# Altium PCB PCB1.PcbDoc (part 1 of 2) (continued)
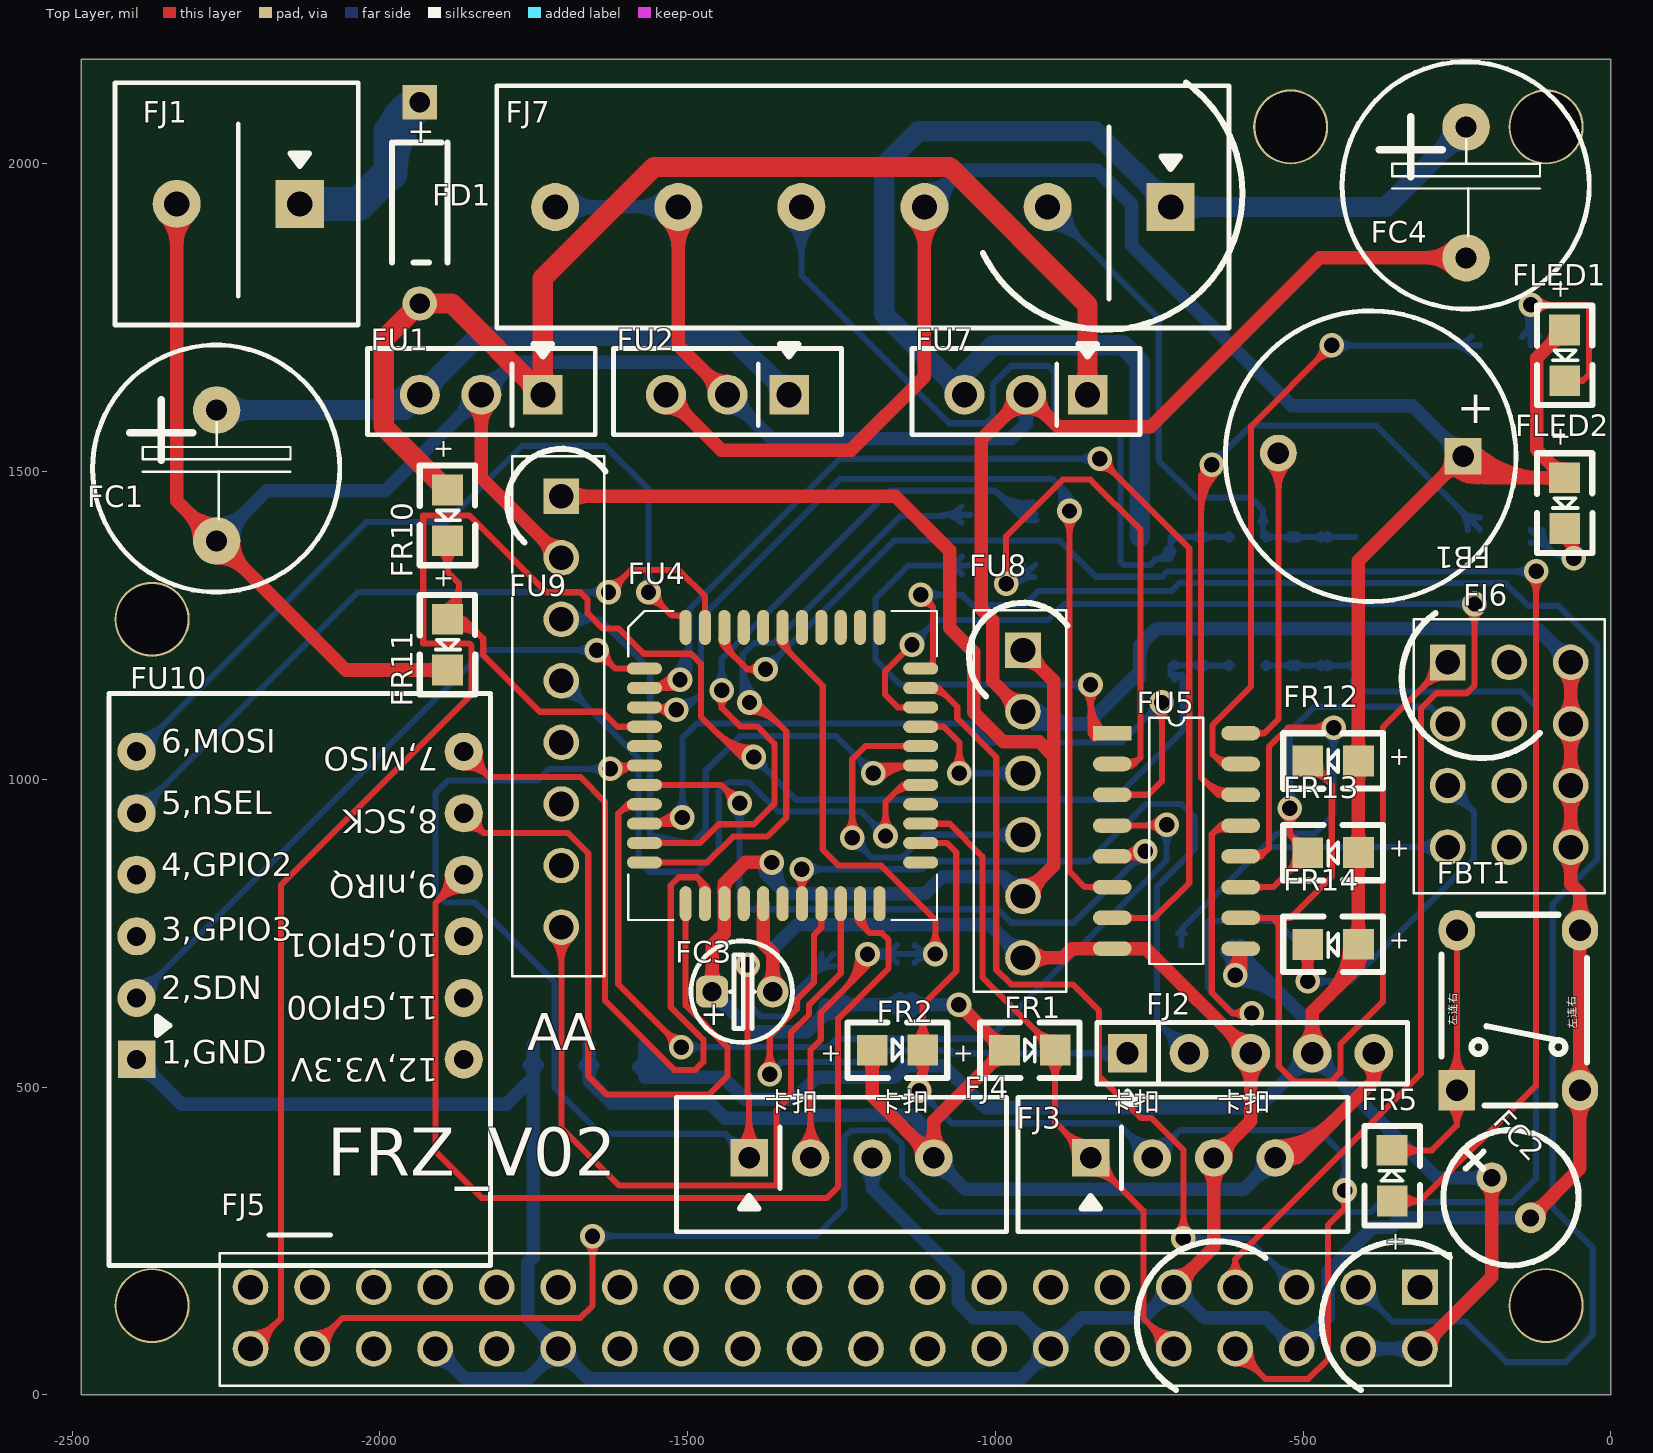
[diagram p0: Top Layer view]
## Nets (pads, with @x,y where several pads share a name; then routed paths per layer and width w, separated by ;. In a path a pad name is that pad's centre, name@x,y a point inside that pad or via, vN(x,y) a via of type N, cw(c..) or ccw(c..) an arc to the next point about the centre after c; other vN are vias at no path point)
NetFB1_1: FB1.1 FC2.1 FJ2.4 FJ5.2 FJ5.4 FJ7.3 FLED1.1 FLED2.1 FR12.1 FR13.1 FR14.1 FR15.1 FU2.3 FU3.3 FU5.9 | length 8346.7
  Top Layer w22: FU2.3@-1535,1603.5 cw(c-1535,1551.59) -1498.3,1588.3 cw(c-1461.59,1625) FU2.3@-1513.5,1625 ; FU2.3@-1535,1625 -1444.99,1534.99 -1234.29,1534.99 -1115,1654.28 FJ7.3@-1115,1930 ; FJ7.3@-1134.8,1910.2 cw(c-1182.6,1862.4) -1115,1862.4 cw(c-1047.4,1862.4) FJ7.3@-1095.2,1910.2 ; v1@-616.62,688.39 ccw(c-652.82,725) FU5.9@-601.34,725 -601.34,690.95 v1(-610.29,681.99) ; FJ2.4@-499.5,569.5 ccw(c-534.49,604.49) -485,604.49 ccw(c-435.51,604.49) FJ2.4@-470.5,569.5 ; FJ2.4@-485,555 -485,622.28 -410,697.28 FR14.1@-410,732 FR13.1@-410,881 FR12.1@-410,1030 -410,1355 FB1.1@-240,1525 -205,1490 FLED2.1@-75,1490 -120.29,1535.29 -120.29,1684.71 FLED1.1@-75,1730 ; -458.45,648.84 ccw(c-541.61,732) FR14.1@-424,732 ; -420.89,686.39 ccw(c-466.5,732) FR14.1@-402,732 ; FR14.1@-419.9,722.1 cw(c-443.8,698.2) -410,698.2 cw(c-376.2,698.2) FR14.1@-400.1,722.1 ; FR14.1@-419.9,741.9 ccw(c-443.8,765.8) -410,765.8 ccw(c-376.2,765.8) FR14.1@-400.1,741.9 ; FR13.1@-419.9,871.1 cw(c-443.8,847.2) -410,847.2 cw(c-376.2,847.2) FR13.1@-400.1,871.1 ; FR13.1@-419.9,890.9 ccw(c-443.8,914.8) -410,914.8 ccw(c-376.2,914.8) FR13.1@-400.1,890.9 ; FR12.1@-419.9,1020.1 cw(c-443.8,996.2) -410,996.2 cw(c-376.2,996.2) FR12.1@-400.1,1020.1 ; FR12.1@-419.9,1039.9 ccw(c-443.8,1063.8) -410,1063.8 ccw(c-376.2,1063.8) FR12.1@-400.1,1039.9 ; FJ5.2@-310,75 -193.4,191.6 FC2.1@-193.4,352.67 ; FJ5.2@-310,93 ccw(c-310,136.46) -279.27,105.73 ccw(c-248.54,75) FJ5.2@-292,75 ; FB1.1@-259,1525 cw(c-304.87,1525) -272.44,1492.56 cw(c-240,1460.13) -240,1506 cw(c-240,1460.13) -207.56,1492.56 cw(c-175.13,1525) FB1.1@-221,1525 ; FB1.1@-257.68,1507.32 ccw(c-215.86,1549.14) -215.86,1490 ; FB1.1@-242.12,1522.88 ccw(c-162.75,1602.25) -162.75,1490 ; FB1.1@-226.56,1538.44 ccw(c-109.63,1655.37) -109.63,1490 ; FC2.1@-203.3,342.77 cw(c-227.2,318.87) -193.4,318.87 cw(c-159.6,318.87) FC2.1@-183.5,342.77 ; FLED2.1@-89,1490 ccw(c-122.8,1490) -98.9,1513.9 ccw(c-75,1537.8) FLED2.1@-75,1504 ; FLED1.1@-89,1730 cw(c-122.8,1730) -98.9,1706.1 cw(c-75,1682.2) FLED1.1@-75,1716 ; FLED2.1@-84.9,1480.1 ccw(c-108.8,1456.2) -108.8,1490 ccw(c-108.8,1523.8) FLED2.1@-84.9,1499.9
  Bottom Layer w22: FU3.3@-1578.86,532.2 ccw(c-1539.73,571.34) -1539.73,515.99 ; FU3.3@-1569.45,569.18 -1569.45,515.99 -1441.84,515.99 -1406,480.15 -1326,480.15 -1290.16,515.99 -1163.7,515.99 -1145.18,534.51 -1083.7,534.51 -1015.39,466.2 -573.8,466.2 FJ2.4@-485,555 ; FU3.3@-1563.31,547.76 ccw(c-1486.62,624.45) -1486.62,515.99 ; FJ7.3@-1115,1930 -1055.01,1989.99 -834.29,1989.99 -778.29,1933.99 -778.29,1866.99 -518.29,1606.99 -321.99,1606.99 FB1.1@-240,1525 ; FJ7.3@-1115,1958 ccw(c-1115,2025.6) -1067.2,1977.8 ccw(c-1019.4,1930) FJ7.3@-1087,1930 ; FR15.1@-624.9,720.1 cw(c-660.17,684.83) v1@-610.29,684.83 ; v1@-618.09,686.49 ccw(c-639.08,698.61) -615.66,704.89 ; v1@-616.66,688.36 ccw(c-632.02,703.72) -610.29,703.72 ccw(c-588.56,703.72) v1@-603.93,688.36 ; FR15.1@-615,716 cw(c-615,682.2) -591.1,706.1 cw(c-567.2,730) FR15.1@-601,730 ; FR15.1@-615,730 FR15.1@-610.29,725.29 ; v1@-610.29,672.99 cw(c-610.29,546.73) -521.01,636.01 ; v1(-610.29,681.99) FR15.1@-610.29,725.29 ; v1@-610.29,694.99 cw(c-610.29,621.84) -558.57,673.57 ; FJ2.4@-505.5,555 cw(c-554.99,555) -520,520 cw(c-485,485.01) -485,534.5 cw(c-485,485.01) -450,520 cw(c-415.01,555) FJ2.4@-464.5,555 ; FJ2.4@-498.45,570.47 ccw(c-524.14,600) -485,600 ; FJ2.4@-471.55,570.47 cw(c-445.86,600) -485,600 ; FJ5.4@-410,75 FJ5.2@-310,75 ; FJ5.4@-397.27,62.27 cw(c-366.54,31.54) -366.54,75 cw(c-366.54,118.46) FJ5.4@-397.27,87.73 ; FJ5.2@-322.73,62.27 ccw(c-353.46,31.54) -353.46,75 ccw(c-353.46,118.46) FJ5.2@-322.73,87.73 ; FB1.1@-259,1525 ccw(c-304.87,1525) -272.44,1557.44 ccw(c-240,1589.87) FB1.1@-240,1544 ; FC2.1@-203.3,342.77 ccw(c-227.2,318.87) -227.2,352.67 ccw(c-227.2,386.46) FC2.1@-203.3,362.57 ; FC2.1@-193.4,352.67 -282.67,352.67 FJ2.4@-485,555 ; -1569.45,520.65 cw(c-1548.48,520.65) -1563.31,535.48 ccw(c-1548.48,520.65) -1569.45,520.65 ; -1569.45,520.65 ccw(c-1590.42,520.65) -1575.59,535.48 cw(c-1590.42,520.65) -1569.45,520.65 ; FR15.1@-610.29,725.29 -485,600 ; FJ2.4@-485,555 -485,600
NetFB1_2: FB1.2 FU5.16 | length 680.5
  Top Layer w10: FU5.16@-601.34,1075 -562.99,1075 -540,1097.99 FB1.2@-540,1530.12 ; FU5.16@-576.84,1070.18 cw(c-565.21,1058.56) -565.21,1075 cw(c-565.21,1091.44) FU5.16@-576.84,1079.82 ; FB1.2@-557.68,1512.44 cw(c-600.36,1469.76) -540,1469.76 cw(c-479.64,1469.76) FB1.2@-522.32,1512.44 ; FB1.2@-550.61,1519.51 cw(c-576.21,1493.91) -540,1493.91 cw(c-503.79,1493.91) FB1.2@-529.39,1519.51
NetFBT1_1: FBT1.1 FBT1.3 FR5.2 | length 789.3
  Top Layer w10: FR5.2@-355.2,397.3 -290.69,397.3 -250,437.99 ; FR5.2@-341.06,383.16 cw(c-306.92,349.02) -306.92,397.3 cw(c-306.92,445.58) FR5.2@-341.06,411.44 ; FBT1.1@-267.34,515.82 ccw(c-309.21,557.69) -250,557.69 ccw(c-190.79,557.69) FBT1.1@-232.66,515.82 ; FBT1.1@-266.02,472.95 cw(c-296.16,437.99) -250,437.99 ; FBT1.1@-260.27,508.74 ccw(c-285.07,533.54) -250,533.54 ccw(c-214.93,533.54) FBT1.1@-239.73,508.74 ; FBT1.1@-259.49,480.52 cw(c-277.34,459.82) -250,459.82 cw(c-222.66,459.82) FBT1.1@-240.51,480.52 ; FBT1.3@-250,755 FBT1.1@-250,495 -250,437.99 ; FBT1.1@-233.98,472.95 ccw(c-203.84,437.99) -250,437.99
NetFBT1_2: FBT1.2 FBT1.4 FC1.2 FC2.2 FC3.2 FC4.2 FJ1.2 FJ2.3 FJ3.3 FJ4.3 FJ5.6 FJ5.9 FJ5.14 FJ5.30 FJ5.34 FJ6.3 FJ6.6 FJ6.9 FJ6.12 FJ7.5 FJ7.6 FR11.2 FU1.2 FU2.2 FU3.1 FU4.16 FU5.8 FU6.8 FU7.2 FU8.2 FU8.6 FU9.2 FU10.1 | length 16481.2
  Top Layer w22: FJ1.2@-2349.8,1915.2 cw(c-2397.6,1867.4) -2330,1867.4 cw(c-2262.4,1867.4) FJ1.2@-2310.2,1915.2 ; FJ1.2@-2330,1935 -2330,1452.4 FC1.2@-2265,1387.4 -2055.3,1177.7 FR11.2@-1889.8,1177.7 ; FC1.2@-2292.5,1387.4 ccw(c-2358.89,1387.4) -2311.95,1434.35 ccw(c-2265,1481.29) FC1.2@-2265,1414.9 ; FC1.2@-2265,1359.9 cw(c-2265,1293.51) -2218.05,1340.46 cw(c-2171.11,1387.4) FC1.2@-2237.5,1387.4 ; FR11.2@-1899.7,1167.8 ccw(c-1923.6,1143.9) -1923.6,1177.7 ccw(c-1923.6,1211.5) FR11.2@-1899.7,1187.6 ; FU1.2@-1850.2,1609.8 cw(c-1886.91,1573.09) -1835,1573.09 cw(c-1783.09,1573.09) FU1.2@-1819.8,1609.8 ; FU1.2@-1835,1625 -1835,1490 FU9.2@-1705,1360 ; FU9.2@-1723,1360 ccw(c-1766.46,1360) -1735.73,1390.73 ccw(c-1705,1421.46) FU9.2@-1705,1378 ; FJ7.5@-1534.8,1910.2 cw(c-1582.6,1862.4) -1515,1862.4 cw(c-1447.4,1862.4) FJ7.5@-1495.2,1910.2 ; FJ7.5@-1515,1930 -1515,1705 FU2.2@-1435,1625 ; FU2.2@-1456.5,1625 ccw(c-1508.41,1625) -1471.7,1661.7 ccw(c-1435,1698.41) FU2.2@-1435,1646.5 ; FU4.16@-1377.09,798.11 -1377.09,733.5 -1361.57,717.99 FC3.2@-1361.57,655 ; FC3.2@-1372.18,665.61 ccw(c-1397.79,691.21) -1361.57,691.21 ccw(c-1325.36,691.21) FC3.2@-1350.97,665.61 ; FU8.2@-973,1110 ccw(c-1016.46,1110) -985.73,1140.73 ccw(c-955,1171.46) FU8.2@-955,1128 ; FU7.2@-971.5,1625 cw(c-1023.41,1625) -986.7,1588.3 cw(c-950,1551.59) -950,1603.5 cw(c-950,1551.59) -913.3,1588.3 cw(c-876.59,1625) FU7.2@-928.5,1625 ; FU8.6@-955,710 -890.29,710 -875.29,725 FU5.8@-810,725 -755,725 FJ2.3@-585,555 -585,445 FJ3.3@-645,385 -645,240 FJ5.9@-710,175 ; FU8.2@-955,1110 -1004.29,1159.29 -1004.29,1258.53 -1023,1277.24 -1023,1552 FU7.2@-950,1625 -897.99,1572.99 -747.29,1572.99 -472.88,1847.4 FC4.2@-235,1847.4 ; FU8.6@-942.27,697.27 cw(c-911.54,666.54) -911.54,710 cw(c-911.54,753.46) FU8.6@-942.27,722.73 ; FJ5.9@-710,193 ccw(c-710,236.46) -679.27,205.73 ccw(c-648.54,175) FJ5.9@-692,175 ; FJ3.3@-658.8,371.2 cw(c-692.11,337.89) -645,337.89 cw(c-597.89,337.89) FJ3.3@-631.2,371.2 ; FJ3.3@-645,404.51 ccw(c-645,451.62) -611.69,418.31 ccw(c-578.38,385) FJ3.3@-625.49,385 ; FJ2.3@-605.5,555 ccw(c-654.99,555) -620,590 ccw(c-585,624.99) FJ2.3@-585,575.5 ; FJ2.3@-599.5,540.5 cw(c-634.49,505.51) -585,505.51 cw(c-535.51,505.51) FJ2.3@-570.5,540.5 ; FC4.2@-254.45,1827.96 ccw(c-301.39,1781.01) -301.39,1847.4 ccw(c-301.39,1913.79) FC4.2@-254.45,1866.85 ; FC2.2@-130.5,287.53 -50,368.03 FBT1.2@-50,495 FBT1.4@-50,755 -50,814.99 -65,829.99 FJ6.12@-65,890 FJ6.9@-65,990 FJ6.6@-65,1090 FJ6.3@-65,1190 ; FC2.2@-130.5,301.53 ccw(c-130.5,335.33) -106.6,311.43 ccw(c-82.7,287.53) FC2.2@-116.5,287.53 ; FJ6.12@-77.73,877.27 cw(c-108.46,846.54) -65,846.54 cw(c-21.54,846.54) FJ6.12@-52.27,877.27 ; FJ6.12@-77.73,902.73 ccw(c-108.46,933.46) -65,933.46 ccw(c-21.54,933.46) FJ6.12@-52.27,902.73 ; FJ6.9@-77.73,977.27 cw(c-108.46,946.54) -65,946.54 cw(c-21.54,946.54) FJ6.9@-52.27,977.27 ; FJ6.9@-77.73,1002.73 ccw(c-108.46,1033.46) -65,1033.46 ccw(c-21.54,1033.46) FJ6.9@-52.27,1002.73 ; FJ6.6@-77.73,1077.27 cw(c-108.46,1046.54) -65,1046.54 cw(c-21.54,1046.54) FJ6.6@-52.27,1077.27 ; FJ6.6@-77.73,1102.73 ccw(c-108.46,1133.46) -65,1133.46 ccw(c-21.54,1133.46) FJ6.6@-52.27,1102.73 ; FJ6.3@-77.73,1177.27 cw(c-108.46,1146.54) -65,1146.54 cw(c-21.54,1146.54) FJ6.3@-52.27,1177.27 ; FBT1.2@-63.1,478.43 cw(c-94.73,446.8) -50,446.8 cw(c-5.27,446.8) FBT1.2@-36.9,478.43 ; FBT1.2@-63.1,511.57 ccw(c-94.73,543.2) -50,543.2 ccw(c-5.27,543.2) FBT1.2@-36.9,511.57 ; FBT1.4@-63.1,771.57 ccw(c-94.73,803.2) -50,803.2 ccw(c-5.27,803.2) FBT1.4@-36.9,771.57
  Bottom Layer w22: FU10.1@-2395,525.5 cw(c-2395,478.42) -2361.71,511.71 cw(c-2328.42,545) FU10.1@-2375.5,545 ; FU10.1@-2395,545 -2321.99,471.99 -1794.29,471.99 -1750.55,515.73 ; FC1.2@-2265,1387.4 -2183.41,1468.99 -1991.01,1468.99 FU1.2@-1835,1625 -1782.01,1677.99 -1487.99,1677.99 FU2.2@-1435,1625 -1363.5,1553.5 -974.29,1553.5 -950,1577.79 ; FC1.2@-2265,1414.9 ccw(c-2265,1481.29) -2218.05,1434.35 ccw(c-2171.11,1387.4) FC1.2@-2237.5,1387.4 ; FJ5.34@-1910,57 cw(c-1910,13.54) -1879.27,44.27 cw(c-1848.54,75) FJ5.34@-1892,75 ; FJ5.34@-1910,75 -1860.99,25.99 -1759.01,25.99 FJ5.30@-1710,75 ; FU1.2@-1856.5,1625 cw(c-1908.41,1625) -1871.7,1588.3 cw(c-1835,1551.59) FU1.2@-1835,1603.5 ; FU1.2@-1835,1646.5 ccw(c-1835,1698.41) -1798.3,1661.7 ccw(c-1761.59,1625) FU1.2@-1813.5,1625 ; FU3.1@-1750.55,569.17 -1750.55,515.73 ; FJ7.6@-1715,1930 FJ7.5@-1515,1930 ; FJ5.30@-1710,93 cw(c-1710,136.46) -1740.73,105.73 cw(c-1771.46,75) -1728,75 cw(c-1771.46,75) -1740.73,44.27 cw(c-1710,13.54) -1710,57 cw(c-1710,13.54) -1679.27,44.27 cw(c-1648.54,75) FJ5.30@-1692,75 ; FJ7.6@-1695.2,1910.2 cw(c-1647.4,1862.4) -1647.4,1930 cw(c-1647.4,1997.6) FJ7.6@-1695.2,1949.8 ; FJ7.5@-1534.8,1910.2 ccw(c-1582.6,1862.4) -1582.6,1930 ccw(c-1582.6,1997.6) FJ7.5@-1534.8,1949.8 ; FU2.2@-1456.5,1625 ccw(c-1508.41,1625) -1471.7,1661.7 ccw(c-1435,1698.41) FU2.2@-1435,1646.5 ; FU2.2@-1435,1603.5 cw(c-1435,1551.59) -1398.3,1588.3 cw(c-1361.59,1625) FU2.2@-1413.5,1625 ; FC3.2@-1372.18,665.61 ccw(c-1397.79,691.21) -1361.57,691.21 ccw(c-1325.36,691.21) FC3.2@-1350.97,665.61 ; FC3.2@-1361.57,655 -1361.57,724.43 -1322.01,763.99 -1008.99,763.99 FU8.6@-955,710 ; FJ4.3@-1213.8,371.2 cw(c-1247.11,337.89) -1200,337.89 cw(c-1152.89,337.89) FJ4.3@-1186.2,371.2 ; FJ4.3@-1200,385 -1200,335.86 -1060.29,196.15 -1060.29,150.99 -1034.29,124.99 -959.99,124.99 FJ5.14@-910,75 ; FU8.6@-973,710 ccw(c-1016.46,710) -985.73,740.73 ccw(c-955,771.46) FU8.6@-955,728 ; FU7.2@-964.11,1608.78 cw(c-991.07,1577.79) -950,1577.79 ; FU8.2@-957.83,1107.17 ccw(c-916.35,1148.65) -916.35,1089.99 ; FU8.2@-955,1110 -934.99,1089.99 -850.65,1089.99 -765,1175.64 FU6.8@-765,1185 -765,1217.99 -738,1244.99 -119.99,1244.99 FJ6.3@-65,1190 ; FU7.2@-950,1625 -950,1577.79 ; FU8.2@-942.27,1122.73 ccw(c-863.24,1201.76) -863.24,1089.99 ; FU7.2@-935.89,1608.78 ccw(c-908.93,1577.79) -950,1577.79 ; FJ5.14@-910,57 ccw(c-910,13.54) -940.73,44.27 ccw(c-971.46,75) -928,75 ccw(c-971.46,75) -940.73,105.73 ccw(c-910,136.46) -910,93 ccw(c-910,136.46) -879.27,105.73 ccw(c-848.54,75) FJ5.14@-892,75 ; -784,1156.63 cw(c-765,1137.63) FU6.8@-765,1164.5 ; FU6.8@-764.19,1204.69 cw(c-730.11,1204.69) -754.21,1228.79 ; FJ5.9@-728,175 cw(c-771.46,175) -740.73,144.27 cw(c-710,113.54) -710,157 cw(c-710,113.54) -679.27,144.27 cw(c-648.54,175) FJ5.9@-692,175 ; FJ5.6@-528,75 ccw(c-571.46,75) -540.73,105.73 ccw(c-510,136.46) -510,93 ccw(c-510,136.46) -479.27,105.73 ccw(c-448.54,75) FJ5.6@-492,75 ; FC2.2@-130.5,287.53 -341.6,287.53 -357.05,272.08 -387.2,272.08 -459.01,200.28 -459.01,125.99 FJ5.6@-510,75 -559.99,124.99 -659.99,124.99 FJ5.9@-710,175 -760.01,124.99 -860.01,124.99 FJ5.14@-910,75 ; FJ6.3@-83,1190 ccw(c-126.46,1190) -95.73,1220.73 ccw(c-65,1251.46) FJ6.3@-65,1208 ; FU3.1@-1756.69,535.47 cw(c-1771.52,520.65) -1750.55,520.65 ; FU3.1@-1756.69,535.47 cw(c-1771.52,520.65) -1750.55,520.65 ; FU3.1@-1756.69,535.47 cw(c-1771.52,520.65) -1750.55,520.65 ; -1750.55,515.73 -1750.55,223.73 -1759.29,214.99 -1759.29,124.29 FJ5.30@-1710,75 ; -1750.55,520.65 cw(c-1729.58,520.65) FU3.1@-1744.41,535.47 ; -1750.55,520.65 cw(c-1729.58,520.65) FU3.1@-1744.41,535.47 ; -1750.55,520.65 cw(c-1729.58,520.65) FU3.1@-1744.41,535.47 ; FJ5.30@-1710,75 -1660.99,25.99 -959.01,25.99 FJ5.14@-910,75
NetFC1_1: FC1.1 FU1.3 FU2.1 | length 1320.1
  Bottom Layer w33: FC1.1@-2265,1600 -1960,1600 FU1.3@-1935,1625 -1839.01,1720.99 -1430.99,1720.99 FU2.1@-1335,1625 ; FC1.1@-2249.44,1584.44 cw(c-2211.89,1546.89) -2211.89,1600 cw(c-2211.89,1653.11) FC1.1@-2249.44,1615.56 ; -2033.98,1600 ccw(c-2033.98,1723.98) FU1.3@-1946.31,1636.31 ; FU1.3@-1935,1641 ccw(c-1935,1679.63) -1907.69,1652.31 ccw(c-1880.37,1625) FU1.3@-1919,1625 ; FU2.1@-1350.5,1625 ccw(c-1387.92,1625) -1361.46,1651.46 ccw(c-1335,1677.92) FU2.1@-1335,1640.5
NetFC3_1: FC3.1 FJ2.5 FJ3.4 FJ4.4 FR1.1 FR2.1 FR6.1 FR7.1 FU3.2 FU4.14 FU8.1 FU8.5 FU9.1 | length 6594.8
  Top Layer w22: FU9.1@-1705,1460 -1162.3,1460 -1074.29,1371.99 -1074.29,1246.24 -1035.29,1207.24 -1035.29,1109.28 -987.01,1061 -928.3,1061 -905.29,1037.99 ; FU9.1@-1692.27,1447.27 cw(c-1661.54,1416.54) -1661.54,1460 cw(c-1661.54,1503.46) FU9.1@-1692.27,1472.73 ; FC3.1@-1470.61,665.61 ccw(c-1496.21,691.21) -1460,691.21 ccw(c-1423.79,691.21) FC3.1@-1449.39,665.61 ; FC3.1@-1460,655 -1460,730.08 -1440.08,750 FU4.14@-1440.08,798.11 -1440.08,831.21 -1406.29,864.99 v1(-1363.29,864.99) ; FU4.14@-1441.24,816.81 cw(c-1409.28,816.81) -1431.88,839.41 ; v1@-1369.66,858.63 ccw(c-1385.02,843.26) -1385.02,864.99 ccw(c-1385.02,886.72) v1@-1369.66,871.36 ; FR2.1@-1209.9,550.1 cw(c-1233.8,526.2) -1200,526.2 cw(c-1166.2,526.2) FR2.1@-1190.1,550.1 ; FR2.1@-1200,560 -1200,485 FJ4.4@-1100,385 -1100,445 FR1.1@-985,560 v1(-1059,634) ; FJ4.4@-1119.51,385 ccw(c-1166.62,385) -1133.31,418.31 ccw(c-1100,451.62) FJ4.4@-1100,404.51 ; FJ4.4@-1113.8,398.8 ccw(c-1147.11,432.11) -1100,432.11 ccw(c-1052.89,432.11) FJ4.4@-1086.2,398.8 ; v1@-1059,625 cw(c-1059,603.27) -1043.64,618.64 cw(c-1028.27,634) v1@-1050,634 ; FR1.1@-985,546 ccw(c-985,512.2) -1008.9,536.1 ccw(c-1032.8,560) -999,560 ccw(c-1032.8,560) -1008.9,583.9 ccw(c-985,607.8) FR1.1@-985,574 ; FU8.5@-955,810 -905.29,859.71 -905.29,1037.99 ; FU8.5@-955,828 ccw(c-955,871.46) -924.27,840.73 ccw(c-893.54,810) FU8.5@-937,810 ; FU8.1@-955,1192 cw(c-955,1148.54) -924.27,1179.27 cw(c-893.54,1210) FU8.1@-937,1210 ; FU8.1@-955,1210 -905.29,1160.29 -905.29,1037.99 ; FJ3.4@-545,382.51 ccw(c-545,459.8) -490.35,405.15 ; FJ3.4@-545,385 -510.5,385 ; FJ3.4@-545,404.51 ccw(c-545,534.91) -452.8,442.7 ; FJ3.4@-528.28,374.95 cw(c-510.5,364.26) -510.5,385 ; FJ3.4@-528.28,395.05 ccw(c-510.5,405.74) -510.5,385 ; FJ2.5@-398.32,539.42 cw(c-423.04,510.5) -385,510.5 ; FJ2.5@-385,555 -385,510.5 ; FJ2.5@-371.68,539.42 ccw(c-346.96,510.5) -385,510.5 ; -510.5,385 -385,510.5
  Bottom Layer w22: FU3.2@-1666.14,535.48 cw(c-1680.97,520.65) -1660,520.65 cw(c-1639.03,520.65) FU3.2@-1653.86,535.48 ; FU3.2@-1660,569.18 -1660,510.7 -1623.3,474 -1463.64,474 -1438.79,449.15 -1300.36,449.15 -1295,454.51 -1134.29,454.51 ; FC3.1@-1460,640 cw(c-1460,603.79) -1434.39,629.39 cw(c-1408.79,655) FC3.1@-1445,655 ; FC3.1@-1460,655 -1395,590 -1306.38,590 FR6.1@-1262.37,634 FR7.1@-1145.71,634 v1(-1059,634) ; v1@-1375.99,867.76 ccw(c-1349.14,861.91) -1368.57,842.47 ; v1@-1369.66,858.63 cw(c-1385.02,843.26) -1363.29,843.26 cw(c-1341.56,843.26) v1@-1356.93,858.63 ; v1(-1363.29,864.99) -1363.29,837.19 -1340.09,813.99 ; v1@-1354.5,863.08 ccw(c-1302.37,851.72) -1340.1,813.99 ; FR6.1@-1276.37,634 cw(c-1310.17,634) -1286.27,610.1 cw(c-1262.37,586.2) FR6.1@-1262.37,620 ; FR6.1@-1252.47,624.1 cw(c-1228.58,600.2) -1228.58,634 cw(c-1228.58,667.8) FR6.1@-1252.47,643.9 ; FR7.1@-1155.61,624.1 ccw(c-1179.51,600.2) -1179.51,634 ccw(c-1179.51,667.8) FR7.1@-1155.61,643.9 ; FR7.1@-1135.81,624.1 cw(c-1111.91,600.2) -1111.91,634 cw(c-1111.91,667.8) FR7.1@-1135.81,643.9 ; FJ4.4@-1118.62,390.82 ccw(c-1179.08,409.72) -1134.29,454.51 ; FJ4.4@-1110.35,401.54 ccw(c-1122.03,420.22) -1100,420.22 ; -1108.58,428.8 cw(c-1139.91,397.48) FJ4.4@-1097.63,384.26 ; FJ4.4@-1100,365.49 cw(c-1100,318.38) -1066.69,351.69 cw(c-1033.38,385) FJ4.4@-1080.49,385 ; FJ4.4@-1089.65,401.54 cw(c-1077.97,420.22) -1100,420.22 ; v1@-1065.37,627.64 ccw(c-1080.73,612.27) -1080.73,634 ccw(c-1080.73,655.73) v1@-1065.37,640.37 ; FU8.5@-973,810 ccw(c-1016.46,810) -985.73,840.73 ccw(c-955,871.46) FU8.5@-955,828 ; FU8.5@-955,810 -986.99,841.99 -1086.29,841.99 -1114.29,813.99 -1340.09,813.99 ; FJ3.4@-564.51,385 cw(c-611.62,385) -578.31,351.69 cw(c-545,318.38) FJ3.4@-545,365.49 ; FJ3.4@-545,385 -596.01,333.99 -1048.99,333.99 FJ4.4@-1100,385 -1100,420.22 ; -1134.29,454.51 -1100,420.22
NetFC4_1: FC4.1 FJ7.1 FU6.9 FU7.3 | length 2494.9
  Bottom Layer w33: FU7.3@-1066,1625 ccw(c-1104.63,1625) -1077.31,1652.31 ccw(c-1050,1679.63) FU7.3@-1050,1641 ; FU7.3@-1059.94,1637.54 ccw(c-1076.21,1658.09) -1050,1658.09 ; FU7.3@-1040.06,1637.54 cw(c-1023.79,1658.09) -1050,1658.09 ; FU6.9@-765,1393.66 -765,1677.99 -792.1,1705.1 -1002.99,1705.1 -1050,1658.09 ; FJ7.1@-737.5,1930 ccw(c-791.82,1930) -753.41,1968.41 ccw(c-715,2006.82) FJ7.1@-715,1952.5 ; FJ7.1@-699.09,1914.09 cw(c-660.68,1875.68) -660.68,1930 cw(c-660.68,1984.32) FJ7.1@-699.09,1945.91 ; FC4.1@-257,2060 cw(c-310.11,2060) -272.56,2022.44 cw(c-235,1984.89) FC4.1@-235,2038 ; FC4.1@-235,2060 -365,1930 FJ7.1@-715,1930 -837.99,2052.99 -1125.29,2052.99 -1180.29,1997.99 -1180.29,1755.29 FU7.3@-1050,1625 -1050,1658.09
NetFD1_A: FD1.1 FJ1.1 | length 516.7
  Bottom Layer w55: FJ1.1@-2130,1935 -2034.29,1935 -1982.29,1987 -1982.29,2052.71 FD1.1@-1935,2100 ; -1982.29,1984.62 cw(c-1819.62,1984.62) FD1.1@-1934.65,2099.65 ; -1982.29,2033.12 cw(c-1912.1,2033.12) FD1.1@-1934.84,2099.53
NetFD1_K: FD1.2 FR10.1 FU1.1 FU7.1 | length 2195.6
  Top Layer w33: FR10.1@-1890,1470 -1993.29,1573.29 -1993.29,1714.94 FD1.2@-1935,1773.23 -1883.23,1773.23 FU1.1@-1735,1625 -1735,1814.28 -1554.29,1994.99 -1074.29,1994.99 -850,1770.7 FU7.1@-850,1625 ; FU1.1@-1750.5,1625 ccw(c-1787.92,1625) -1761.46,1651.46 ccw(c-1735,1677.92) FU1.1@-1735,1640.5 ; FU1.1@-1745.96,1635.96 ccw(c-1772.42,1662.42) -1735,1662.42 ccw(c-1697.58,1662.42) FU1.1@-1724.04,1635.96 ; FU7.1@-860.96,1635.96 ccw(c-887.42,1662.42) -850,1662.42 ccw(c-812.58,1662.42) FU7.1@-839.04,1635.96
NetFJ2_1: FJ2.1 FU4.19 | length 1149.2
  Top Layer w10: v1@-1376.9,531.6 ccw(c-1402.51,557.21) -1366.29,557.21 ccw(c-1330.08,557.21) v1@-1355.69,531.6 ; v1(-1366.29,520.99) -1366.29,583 -1322.29,627 -1322.29,641.99 -1294.29,669.99 -1294.29,747.3 -1282.6,758.99 FU4.19@-1282.6,798.11 ; FU4.19@-1286.02,775.99 cw(c-1294.29,767.72) -1282.6,767.72 cw(c-1270.91,767.72) FU4.19@-1279.17,775.99
  Bottom Layer w10: v1(-1366.29,520.99) -1346.29,540.99 -1206.81,540.99 -1188.29,559.51 -1071.81,559.51 -1067.3,555 FJ2.1@-785,555 ; FJ2.1@-803.74,536.26 ccw(c-848.98,491.02) -848.98,555 ccw(c-848.98,618.98) FJ2.1@-803.74,573.74 ; FJ2.1@-796.67,543.33 ccw(c-824.83,515.17) -824.83,555 ccw(c-824.83,594.83) FJ2.1@-796.67,566.67
NetFJ2_2: FJ2.2 FU4.18 | length 1473.2
  Top Layer w10: v1@-1324.7,843.39 cw(c-1350.31,817.78) -1314.09,817.78 cw(c-1277.88,817.78) v1@-1303.49,843.39 ; FU4.18@-1317.52,820.23 ccw(c-1325.78,828.5) -1314.09,828.5 ccw(c-1302.4,828.5) FU4.18@-1310.67,820.23 ; FU4.18@-1314.09,798.11 v1(-1314.09,853.99)
  Bottom Layer w10: v1(-1314.09,853.99) -1119.29,853.99 -1106.29,866.99 -848.29,866.99 -755.29,959.99 -697.29,959.99 -675.29,937.99 -675.29,887.83 -737.29,825.83 -737.29,607.29 FJ2.2@-685,555 ; v1@-1303.49,843.39 cw(c-1277.88,817.78) -1277.88,853.99 cw(c-1277.88,890.21) v1@-1303.49,864.6 ; FJ2.2@-711.5,555 ccw(c-775.48,555) -730.24,600.24 ccw(c-685,645.48) FJ2.2@-685,581.5 ; FJ2.2@-701.5,555 ccw(c-741.33,555) -713.17,583.17 ccw(c-685,611.33) FJ2.2@-685,571.5
NetFJ3_1: FJ3.1 FJ5.10 FR1.2 FU4.25 | length 1676.1
  Top Layer w10: FU4.25@-1121.18,928.03 -1074.29,928.03 -1020.92,874.66 -1020.92,678.42 FR1.2@-902.7,560.2 -902.7,442.7 FJ3.1@-845,385 -759.29,299.29 -759.29,124.29 FJ5.10@-710,75 ; FU4.25@-1099.06,924.61 cw(c-1090.79,916.34) -1090.79,928.03 cw(c-1090.79,939.72) FU4.25@-1099.06,931.46 ; FR1.2@-922.7,560.2 ccw(c-970.98,560.2) -936.84,594.34 ccw(c-902.7,628.48) FR1.2@-902.7,580.2 ; FR1.2@-916.84,546.06 cw(c-950.98,511.92) -902.7,511.92 cw(c-854.42,511.92) FR1.2@-888.56,546.06 ; FJ3.1@-870.51,385 ccw(c-932.1,385) -888.55,428.55 ccw(c-845,472.1) FJ3.1@-845,410.51 ; FJ3.1@-860.51,385 ccw(c-897.96,385) -871.48,411.48 ccw(c-845,437.96) FJ3.1@-845,400.51 ; FJ3.1@-845,359.49 cw(c-845,297.9) -801.45,341.45 cw(c-757.9,385) FJ3.1@-819.49,385 ; FJ3.1@-845,369.49 cw(c-845,332.04) -818.52,358.52 cw(c-792.04,385) FJ3.1@-829.49,385 ; FJ5.10@-734,75 ccw(c-791.94,75) -750.97,115.97 ccw(c-710,156.94) FJ5.10@-710,99 ; FJ5.10@-724,75 ccw(c-757.8,75) -733.9,98.9 ccw(c-710,122.8) FJ5.10@-710,89
NetFJ3_2: FJ3.2 FJ5.8 FR2.2 FU4.24 | length 2690.6
  Top Layer w10: v1@-1133.9,504.6 ccw(c-1173.01,543.71) FR2.2@-1117.7,543.71 ; FR2.2@-1131.84,546.06 cw(c-1165.98,511.92) -1117.7,511.92 cw(c-1069.42,511.92) FR2.2@-1103.56,546.06 ; FR2.2@-1131.84,574.34 ccw(c-1165.98,608.48) -1117.7,608.48 ccw(c-1069.42,608.48) FR2.2@-1103.56,574.34 ; v1@-1130.79,506.98 ccw(c-1150.2,540.6) -1112.71,530.55 ; v1@-1126.83,497.53 ccw(c-1148.86,519.56) -1117.7,519.56 ; v1(-1123.29,493.99) -1117.7,499.58 FR2.2@-1117.7,560.2 -1117.7,634.11 -1063.29,688.51 -1063.29,881.54 -1078.29,896.54 FU4.24@-1121.18,896.54 ; -1117.7,516.7 ccw(c-1100.58,516.7) v1@-1112.69,504.6 ; -1113.66,527 ccw(c-1081.19,518.3) v1@-1110.3,501.49 ; FU4.24@-1099.06,893.11 cw(c-1090.79,884.85) -1090.79,896.54 cw(c-1090.79,908.23) FU4.24@-1099.06,899.96 ; FJ5.8@-610,51 cw(c-610,-6.94) -569.03,34.03 cw(c-528.06,75) FJ5.8@-586,75 ; FJ5.8@-610,61 cw(c-610,27.2) -586.1,51.1 cw(c-562.2,75) FJ5.8@-596,75 ; FJ5.8@-610,75 -560.99,25.99 -491.29,25.99 -459.29,57.99 -459.29,275.99 -432.29,302.99 ; v1@-440.96,319.75 cw(c-452.82,302.99) -432.29,302.99 ; v1(-432.29,331.99) -432.29,302.99 ; v1@-423.62,319.75 ccw(c-411.76,302.99) -432.29,302.99
  Bottom Layer w10: v1@-1123.29,478.99 cw(c-1123.29,442.78) -1097.69,468.39 cw(c-1072.08,493.99) v1@-1108.29,493.99 ; v1(-1123.29,493.99) -1070.5,441.2 -801.2,441.2 FJ3.2@-745,385 -700.01,429.99 -474.29,429.99 -432.29,387.99 v1(-432.29,331.99) ; FJ3.2@-770.51,385 ccw(c-832.1,385) -788.55,428.55 ccw(c-745,472.1) -745,410.51 ccw(c-745,472.1) -701.45,428.55 ccw(c-657.9,385) FJ3.2@-719.49,385 ; FJ3.2@-760.51,385 ccw(c-797.96,385) -771.48,411.48 ccw(c-745,437.96) -745,400.51 ccw(c-745,437.96) -718.52,411.48 ccw(c-692.04,385) FJ3.2@-729.49,385 ; v1@-442.9,342.6 ccw(c-468.51,368.21) -432.29,368.21 ccw(c-396.08,368.21) v1@-421.69,342.6
NetFJ4_1: FJ4.1 FR6.2 FU4.6 | length 2527.8
  Top Layer w10: v1(-1625.29,1016.99) -1619.76,1022.52 FU4.6@-1570,1022.52 ; v1@-1621.76,1013.46 cw(c-1599.88,991.58) -1599.88,1022.52 ; v1@-1614.69,1006.39 cw(c-1575.73,967.43) FU4.6@-1575.73,1022.52 ; v1@-1614.69,1027.6 ccw(c-1602.42,1039.86) -1602.42,1022.52 ; FU4.6@-1592.12,1019.1 ccw(c-1600.39,1010.83) -1600.39,1022.52 ccw(c-1600.39,1034.21) FU4.6@-1592.12,1025.94 ; FJ4.1@-1418.04,403.04 ccw(c-1461.59,446.59) -1400,446.59 ccw(c-1338.41,446.59) FJ4.1@-1381.96,403.04 ; v1@-1412.9,688.39 cw(c-1438.51,662.78) -1402.29,662.78 cw(c-1366.08,662.78) v1@-1391.69,688.39 ; FJ4.1@-1410.97,395.97 ccw(c-1437.45,422.45) -1400,422.45 ccw(c-1362.55,422.45) FJ4.1@-1389.03,395.97 ; v1(-1402.29,698.99) -1402.29,489.28 -1400,486.99 FJ4.1@-1400,385
  Bottom Layer w10: v1@-1635.9,1006.39 ccw(c-1661.51,980.78) -1661.51,1016.99 ccw(c-1661.51,1053.21) v1@-1635.9,1027.6 ; v1(-1625.29,1016.99) -1724.29,1016.99 -1743.29,997.99 -1889.29,997.99 -1909.29,977.99 -1909.29,814.99 -1894.29,799.99 -1845.29,799.99 -1716.29,670.99 -1716.29,498.99 -1641.45,424.15 -1439.15,424.15 ; FJ4.1@-1425.43,386.99 ccw(c-1472.61,390.69) -1439.15,424.15 ; FJ4.1@-1415.46,386.21 ccw(c-1444.15,388.46) -1423.8,408.8 ccw(c-1403.46,429.15) FJ4.1@-1401.21,400.46 ; v1@-1412.9,688.39 cw(c-1438.51,662.78) -1402.29,662.78 cw(c-1366.08,662.78) v1@-1391.69,688.39 ; v1(-1402.29,698.99) -1402.29,635.99 -1381.3,615 -1334.29,615 -1321.57,627.72 -1321.57,656.9 FR6.2@-1262.17,716.3 ; FJ4.1@-1401.99,410.43 cw(c-1405.69,457.61) -1439.15,424.15 ; FJ4.1@-1400,385 -1439.15,424.15 ; FR6.2@-1282.17,716.3 cw(c-1330.46,716.3) -1296.32,682.16 cw(c-1262.17,648.02) FR6.2@-1262.17,696.3
NetFJ4_2: FJ4.2 FR7.2 FU4.39 | length 1969
  Top Layer w10: FU4.39@-1350.75,1228.23 ccw(c-1336.79,1228.23) -1346.66,1218.36 ; FU4.39@-1348.85,1224.64 cw(c-1355.52,1217.29) -1345.59,1217.29 ; FU4.39@-1345.59,1246.93 -1345.59,1217.29 ; FU4.39@-1342.33,1224.64 ccw(c-1335.66,1217.29) -1345.59,1217.29 ; FU4.39@-1340.75,1228.23 ccw(c-1302.65,1228.23) -1329.59,1201.29 ; FJ4.2@-1318.04,403.04 ccw(c-1361.59,446.59) -1300,446.59 ccw(c-1238.41,446.59) FJ4.2@-1281.96,403.04 ; FJ4.2@-1310.97,395.97 ccw(c-1337.45,422.45) -1300,422.45 ccw(c-1262.55,422.45) FJ4.2@-1289.03,395.97 ; FJ4.2@-1300,385 -1300,560.57 -1283.57,577 -1283.57,620.58 -1207.6,696.55 v1(-1207.6,715.99) ; -1246.95,657.2 ccw(c-1305.75,715.99) v1@-1222.6,715.99 ; -1229.88,674.27 ccw(c-1271.61,715.99) v1@-1212.6,715.99 ; -1212.81,691.34 ccw(c-1237.46,715.99) v1@-1202.6,715.99 ; v1@-1107.9,726.91 ccw(c-1133.51,752.52) -1097.29,752.52 ccw(c-1061.08,752.52) v1@-1086.69,726.91 ; v1(-1097.29,716.3) -1097.29,771.99 -1185.29,859.99 -1254.29,859.99 -1280.29,885.99 -1280.29,1151.99 -1345.59,1217.29
  Bottom Layer w10: v1(-1207.6,715.99) -1207.29,716.3 FR7.2@-1145.51,716.3 v1(-1097.29,716.3) ; v1@-1197.31,726.9 ccw(c-1181.2,743.97) -1175.13,721.3 ; v1@-1197,705.39 cw(c-1170.64,679.03) -1170.64,716.3 ; v1@-1197,726.6 ccw(c-1172.14,751.46) -1172.14,716.3 ; v1@-1196.67,705.72 cw(c-1181.51,691.49) -1176.13,711.57 ; v1@-1194.61,708.49 cw(c-1172.93,695.98) -1179.41,720.16 ; v1@-1194.61,723.49 ccw(c-1174.7,734.99) -1180.65,712.78 ; FR7.2@-1159.65,702.16 ccw(c-1193.79,668.02) -1193.79,716.3 ccw(c-1193.79,764.59) FR7.2@-1159.65,730.44 ; FR7.2@-1131.35,702.17 cw(c-1097.3,668.19) v1(-1097.29,716.3) ; FR7.2@-1131.35,730.43 ccw(c-1097.3,764.41) v1(-1097.29,716.3) ; v1@-1111.91,712.96 ccw(c-1124.76,710.02) -1121.35,722.75 ccw(c-1117.94,735.48) v1@-1108.28,726.51 ; v1@-1111.91,719.65 cw(c-1124.76,722.59) -1121.35,709.86 cw(c-1117.94,697.13) v1@-1108.28,706.1 ; v1@-1107.9,705.7 ccw(c-1133.51,680.09) -1133.51,716.3 ccw(c-1133.51,752.52) v1@-1107.9,726.91
NetFJ5_3: FJ5.3 FU4.33 | length 3189.5
  Top Layer w10: v1(-1121.29,1299.99) -1101.29,1279.99 ; FU4.33@-1121.18,1180 -1101.29,1180 -1101.29,1279.99 ; v1@-1118.46,1285.26 cw(c-1114.84,1266.44) -1101.29,1279.99 ; v1@-1106.56,1297.16 ccw(c-1087.74,1293.54) -1101.29,1279.99 ; FU4.33@-1105.9,1183.42 ccw(c-1117.04,1194.56) -1101.29,1194.56
  Bottom Layer w10: v1(-1121.29,1299.99) -1054.04,1299.99 -1037.29,1283.24 -953.04,1283.24 -930.29,1305.99 -714.19,1305.99 -701.19,1318.99 -171.29,1318.99 -134.29,1281.99 -85.29,1281.99 -21.29,1217.99 -21.29,870.99 -94.29,797.99 -94.29,303.99 -29.29,238.99 -29.29,97.99 -74.29,52.99 -169.29,52.99 -235.29,118.99 -353.99,118.99 FJ5.3@-410,175 ; v1@-1110.69,1289.39 cw(c-1085.08,1263.78) -1085.08,1299.99 cw(c-1085.08,1336.21) v1@-1110.69,1310.6 ; FJ5.3@-410,151 cw(c-410,93.06) -369.03,134.03 cw(c-328.06,175) FJ5.3@-386,175 ; FJ5.3@-410,161 cw(c-410,127.2) -386.1,151.1 cw(c-362.2,175) FJ5.3@-396,175